# Allegro board 8880F5-0823_1_redwan.brd (continued)
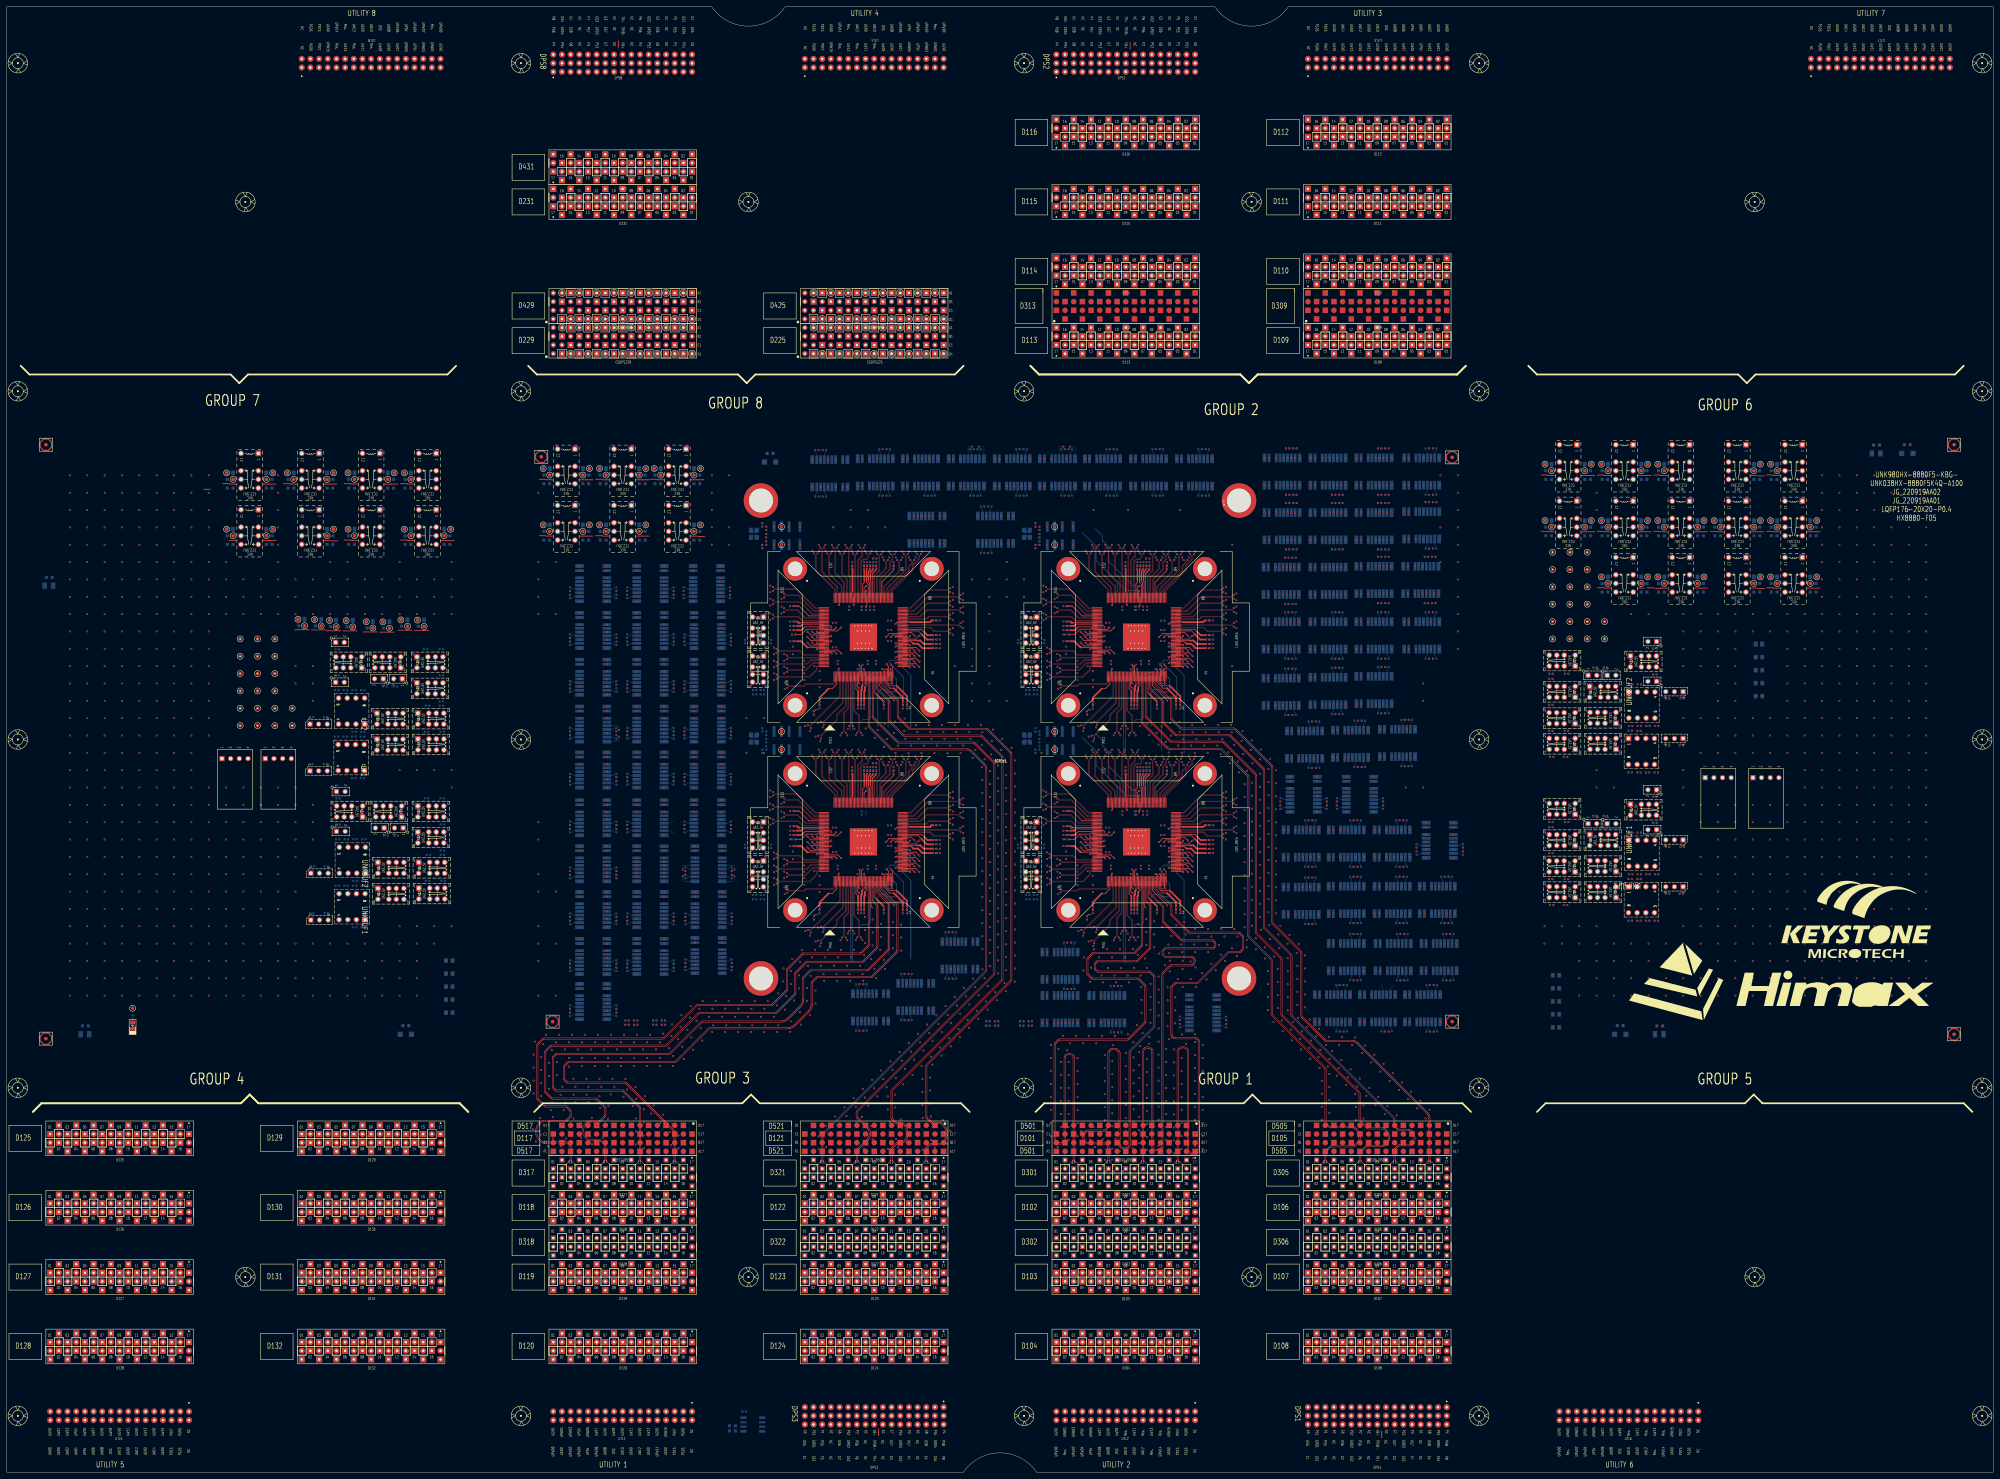
[diagram p0: board, top side]
## Footprints (pads in the part's own frame, mm; a bottom-side part is the same pattern mirrored in y, then rotated) (continued)
PG_VG93K_F_HSM_G3D121_521_ND
  rect 1.626x1.626 smd: A1(-20.32,-3.81) A3(-15.24,-3.81) A5(-10.16,-3.81) A7(-5.08,-3.81) A9(0,-3.81) A11(5.08,-3.81) A13(10.16,-3.81) A15(15.24,-3.81) A17(20.32,-3.81) B2(-17.78,-1.27) B4(-12.7,-1.27) B6(-7.62,-1.27) B8(-2.54,-1.27) B10(2.54,-1.27) B12(7.62,-1.27) B14(12.7,-1.27) B16(17.78,-1.27) C1(-20.32,1.27) C3(-15.24,1.27) C5(-10.16,1.27) C7(-5.08,1.27) C9(0,1.27) C11(5.08,1.27) C13(10.16,1.27) C15(15.24,1.27) C17(20.32,1.27) D2(-17.78,3.81) D4(-12.7,3.81) D6(-7.62,3.81) D8(-2.54,3.81) D10(2.54,3.81) D12(7.62,3.81) D14(12.7,3.81) D16(17.78,3.81)
  round 1.626 smd: A2(-17.78,-3.81) A4(-12.7,-3.81) A6(-7.62,-3.81) A8(-2.54,-3.81) A10(2.54,-3.81) A12(7.62,-3.81) A14(12.7,-3.81) A16(17.78,-3.81) B1(-20.32,-1.27) B3(-15.24,-1.27) B5(-10.16,-1.27) B7(-5.08,-1.27) B9(0,-1.27) B11(5.08,-1.27) B13(10.16,-1.27) B15(15.24,-1.27) B17(20.32,-1.27) C2(-17.78,1.27) C4(-12.7,1.27) C6(-7.62,1.27) C8(-2.54,1.27) C10(2.54,1.27) C12(7.62,1.27) C14(12.7,1.27) C16(17.78,1.27) D3(-15.24,3.81) D5(-10.16,3.81) D7(-5.08,3.81) D9(0,3.81) D11(5.08,3.81) D13(10.16,3.81) D15(15.24,3.81)
PG_VG93K_F_PSSL_G2D309_ND
  rect 1.626x1.626 smd: A1(20.32,3.81) A3(15.24,3.81) A5(10.16,3.81) A7(5.08,3.81) A9(0,3.81) A11(-5.08,3.81) A13(-10.16,3.81) A15(-15.24,3.81) A17(-20.32,3.81) B2(17.78,1.27) B4(12.7,1.27) B6(7.62,1.27) B8(2.54,1.27) B10(-2.54,1.27) B12(-7.62,1.27) B14(-12.7,1.27) B16(-17.78,1.27) C1(20.32,-1.27) C3(15.24,-1.27) C5(10.16,-1.27) C7(5.08,-1.27) C9(0,-1.27) C11(-5.08,-1.27) C13(-10.16,-1.27) C15(-15.24,-1.27) C17(-20.32,-1.27) D2(17.78,-3.81) D4(12.7,-3.81) D6(7.62,-3.81) D8(2.54,-3.81) D10(-2.54,-3.81) D12(-7.62,-3.81) D14(-12.7,-3.81) D16(-17.78,-3.81)
  round 1.626 smd: B1(20.32,1.27) B3(15.24,1.27) B5(10.16,1.27) B7(5.08,1.27) B9(0,1.27) B11(-5.08,1.27) B13(-10.16,1.27) B15(-15.24,1.27) B17(-20.32,1.27) C2(17.78,-1.27) C4(12.7,-1.27) C6(7.62,-1.27) C8(2.54,-1.27) C10(-2.54,-1.27) C12(-7.62,-1.27) C14(-12.7,-1.27) C16(-17.78,-1.27)
PG_VG93K_F_PSSL_G2D313_ND
  rect 1.626x1.626 smd: A1(20.32,3.81) A3(15.24,3.81) A5(10.16,3.81) A7(5.08,3.81) A9(0,3.81) A11(-5.08,3.81) A13(-10.16,3.81) A15(-15.24,3.81) A17(-20.32,3.81) B2(17.78,1.27) B4(12.7,1.27) B6(7.62,1.27) B8(2.54,1.27) B10(-2.54,1.27) B12(-7.62,1.27) B14(-12.7,1.27) B16(-17.78,1.27) C1(20.32,-1.27) C3(15.24,-1.27) C5(10.16,-1.27) C7(5.08,-1.27) C9(0,-1.27) C11(-5.08,-1.27) C13(-10.16,-1.27) C15(-15.24,-1.27) C17(-20.32,-1.27) D2(17.78,-3.81) D4(12.7,-3.81) D6(7.62,-3.81) D8(2.54,-3.81) D10(-2.54,-3.81) D12(-7.62,-3.81) D14(-12.7,-3.81) D16(-17.78,-3.81)
  round 1.626 smd: B1(20.32,1.27) B3(15.24,1.27) B5(10.16,1.27) B7(5.08,1.27) B9(0,1.27) B11(-5.08,1.27) B13(-10.16,1.27) B15(-15.24,1.27) B17(-20.32,1.27) C2(17.78,-1.27) C4(12.7,-1.27) C6(7.62,-1.27) C8(2.54,-1.27) C10(-2.54,-1.27) C12(-7.62,-1.27) C14(-12.7,-1.27) C16(-17.78,-1.27)
PG_VG93K_PF_DPS32_G8D225
  rect 1.778x1.778 hole 0.711: A1(20.32,3.81) A3(15.24,3.81) A5(10.16,3.81) A7(5.08,3.81) A9(0,3.81) A11(-5.08,3.81) A13(-10.16,3.81) A15(-15.24,3.81) B2(17.78,1.27) B4(12.7,1.27) B6(7.62,1.27) B8(2.54,1.27) B10(-2.54,1.27) B12(-7.62,1.27) B14(-12.7,1.27) B16(-17.78,1.27) C1(20.32,-1.27) C3(15.24,-1.27) C5(10.16,-1.27) C7(5.08,-1.27) C9(0,-1.27) C11(-5.08,-1.27) C13(-10.16,-1.27) C15(-15.24,-1.27) D2(17.78,-3.81) D4(12.7,-3.81) D6(7.62,-3.81) D8(2.54,-3.81) D10(-2.54,-3.81) D12(-7.62,-3.81) D14(-12.7,-3.81) D16(-17.78,-3.81)
  round 1.524 hole 0.711: A2(17.78,3.81) A4(12.7,3.81) A6(7.62,3.81) A8(2.54,3.81) A10(-2.54,3.81) A12(-7.62,3.81) A14(-12.7,3.81) A16(-17.78,3.81) A17(-20.32,3.81) B1(20.32,1.27) B3(15.24,1.27) B5(10.16,1.27) B7(5.08,1.27) B9(0,1.27) B11(-5.08,1.27) B13(-10.16,1.27) B15(-15.24,1.27) B17(-20.32,1.27) C2(17.78,-1.27) C4(12.7,-1.27) C6(7.62,-1.27) C8(2.54,-1.27) C10(-2.54,-1.27) C12(-7.62,-1.27) C14(-12.7,-1.27) C16(-17.78,-1.27) C17(-20.32,-1.27) D1(20.32,-3.81) D3(15.24,-3.81) D5(10.16,-3.81) D7(5.08,-3.81) D9(0,-3.81) D11(-5.08,-3.81) D13(-10.16,-3.81) D15(-15.24,-3.81) D17(-20.32,-3.81)
PG_VG93K_PF_DPS32_G8D229
  rect 1.778x1.778 hole 0.711: A1(20.32,3.81) A3(15.24,3.81) A5(10.16,3.81) A7(5.08,3.81) A9(0,3.81) A11(-5.08,3.81) A13(-10.16,3.81) A15(-15.24,3.81) B2(17.78,1.27) B4(12.7,1.27) B6(7.62,1.27) B8(2.54,1.27) B10(-2.54,1.27) B12(-7.62,1.27) B14(-12.7,1.27) B16(-17.78,1.27) C1(20.32,-1.27) C3(15.24,-1.27) C5(10.16,-1.27) C7(5.08,-1.27) C9(0,-1.27) C11(-5.08,-1.27) C13(-10.16,-1.27) C15(-15.24,-1.27) D2(17.78,-3.81) D4(12.7,-3.81) D6(7.62,-3.81) D8(2.54,-3.81) D10(-2.54,-3.81) D12(-7.62,-3.81) D14(-12.7,-3.81) D16(-17.78,-3.81)
  round 1.524 hole 0.711: A2(17.78,3.81) A4(12.7,3.81) A6(7.62,3.81) A8(2.54,3.81) A10(-2.54,3.81) A12(-7.62,3.81) A14(-12.7,3.81) A16(-17.78,3.81) A17(-20.32,3.81) B1(20.32,1.27) B3(15.24,1.27) B5(10.16,1.27) B7(5.08,1.27) B9(0,1.27) B11(-5.08,1.27) B13(-10.16,1.27) B15(-15.24,1.27) B17(-20.32,1.27) C2(17.78,-1.27) C4(12.7,-1.27) C6(7.62,-1.27) C8(2.54,-1.27) C10(-2.54,-1.27) C12(-7.62,-1.27) C14(-12.7,-1.27) C16(-17.78,-1.27) C17(-20.32,-1.27) D1(20.32,-3.81) D3(15.24,-3.81) D5(10.16,-3.81) D7(5.08,-3.81) D9(0,-3.81) D11(-5.08,-3.81) D13(-10.16,-3.81) D15(-15.24,-3.81) D17(-20.32,-3.81)
PG_VG93K_PF_DPS32_G8D425
  rect 1.778x1.778 hole 0.711: A1(20.32,3.81) A3(15.24,3.81) A5(10.16,3.81) A7(5.08,3.81) A9(0,3.81) A11(-5.08,3.81) A13(-10.16,3.81) A15(-15.24,3.81) B2(17.78,1.27) B4(12.7,1.27) B6(7.62,1.27) B8(2.54,1.27) B10(-2.54,1.27) B12(-7.62,1.27) B14(-12.7,1.27) B16(-17.78,1.27) C1(20.32,-1.27) C3(15.24,-1.27) C5(10.16,-1.27) C7(5.08,-1.27) C9(0,-1.27) C11(-5.08,-1.27) C13(-10.16,-1.27) C15(-15.24,-1.27) D2(17.78,-3.81) D4(12.7,-3.81) D6(7.62,-3.81) D8(2.54,-3.81) D10(-2.54,-3.81) D12(-7.62,-3.81) D14(-12.7,-3.81) D16(-17.78,-3.81)
  round 1.524 hole 0.711: A2(17.78,3.81) A4(12.7,3.81) A6(7.62,3.81) A8(2.54,3.81) A10(-2.54,3.81) A12(-7.62,3.81) A14(-12.7,3.81) A16(-17.78,3.81) A17(-20.32,3.81) B1(20.32,1.27) B3(15.24,1.27) B5(10.16,1.27) B7(5.08,1.27) B9(0,1.27) B11(-5.08,1.27) B13(-10.16,1.27) B15(-15.24,1.27) B17(-20.32,1.27) C2(17.78,-1.27) C4(12.7,-1.27) C6(7.62,-1.27) C8(2.54,-1.27) C10(-2.54,-1.27) C12(-7.62,-1.27) C14(-12.7,-1.27) C16(-17.78,-1.27) C17(-20.32,-1.27) D1(20.32,-3.81) D3(15.24,-3.81) D5(10.16,-3.81) D7(5.08,-3.81) D9(0,-3.81) D11(-5.08,-3.81) D13(-10.16,-3.81) D15(-15.24,-3.81) D17(-20.32,-3.81)
PG_VG93K_PF_DPS32_G8D429
  rect 1.778x1.778 hole 0.711: A1(20.32,3.81) A3(15.24,3.81) A5(10.16,3.81) A7(5.08,3.81) A9(0,3.81) A11(-5.08,3.81) A13(-10.16,3.81) A15(-15.24,3.81) B2(17.78,1.27) B4(12.7,1.27) B6(7.62,1.27) B8(2.54,1.27) B10(-2.54,1.27) B12(-7.62,1.27) B14(-12.7,1.27) B16(-17.78,1.27) C1(20.32,-1.27) C3(15.24,-1.27) C5(10.16,-1.27) C7(5.08,-1.27) C9(0,-1.27) C11(-5.08,-1.27) C13(-10.16,-1.27) C15(-15.24,-1.27) D2(17.78,-3.81) D4(12.7,-3.81) D6(7.62,-3.81) D8(2.54,-3.81) D10(-2.54,-3.81) D12(-7.62,-3.81) D14(-12.7,-3.81) D16(-17.78,-3.81)
  round 1.524 hole 0.711: A2(17.78,3.81) A4(12.7,3.81) A6(7.62,3.81) A8(2.54,3.81) A10(-2.54,3.81) A12(-7.62,3.81) A14(-12.7,3.81) A16(-17.78,3.81) A17(-20.32,3.81) B1(20.32,1.27) B3(15.24,1.27) B5(10.16,1.27) B7(5.08,1.27) B9(0,1.27) B11(-5.08,1.27) B13(-10.16,1.27) B15(-15.24,1.27) B17(-20.32,1.27) C2(17.78,-1.27) C4(12.7,-1.27) C6(7.62,-1.27) C8(2.54,-1.27) C10(-2.54,-1.27) C12(-7.62,-1.27) C14(-12.7,-1.27) C16(-17.78,-1.27) C17(-20.32,-1.27) D1(20.32,-3.81) D3(15.24,-3.81) D5(10.16,-3.81) D7(5.08,-3.81) D9(0,-3.81) D11(-5.08,-3.81) D13(-10.16,-3.81) D15(-15.24,-3.81) D17(-20.32,-3.81)
R0402
  custom 0.15x0.15 smd: 1(-0.5,0) 2(0.5,0)
R0603
  rect 0.889x0.889 smd: 1(-0.85,0) 2(0.85,0)
RL_G6K2FRT_8P_5V_GR
  rect 0.813x2.54 smd: 1(-3.75,-4) 2(-0.55,-4) 3(1.65,-4) 4(3.85,-4) 5(3.85,4) 6(1.65,4) 7(-0.55,4) 8(-3.75,4) G2(-1.65,-4) G3(0.55,-4) G4(2.75,-4) G7(2.75,4) G8(0.55,4) G9(-1.65,4)
  rect 1.092x2.54 smd: G1(-5.1,-4) G5(5.2,-4) G6(5.2,4) G10(-5.1,4)
RL_NECEC2_10P_5V
  rect 1.626x1.626 hole 1.041: 1(6.35,2.54)
  round 1.626 hole 1.041: 3(1.27,2.54) 4(-1.27,2.54) 5(-3.81,2.54) 8(-3.81,-2.54) 9(-1.27,-2.54) 10(1.27,-2.54) 12(6.35,-2.54)
RL_NECUA2_5V_V3
  rect 1.626x1.626 hole 1.041: 1(3.6,1.6)
  round 1.626 hole 1.041: 2(0.4,1.6) 3(-1.8,1.6) 4(-4,1.6) 5(-4,-1.6) 6(-1.8,-1.6) 7(0.4,-1.6) 8(3.6,-1.6)
RL_NECUB2_5V
  rect 0.813x3.15 smd: 1(3.8,2.65) 2(0.6,2.65) 3(-1.6,2.65) 4(-3.8,2.65) 5(-3.8,-2.65) 6(-1.6,-2.65) 7(0.6,-2.65) 8(3.8,-2.65)
SK_LQFP176P_0P4MM_JG_HX8880
  round 0.508 hole 1.626 unplated: (-16.5,16.5) (-16.5,-16.5) (16.5,16.5) (16.5,-16.5)
  oval 3x0.28 smd: 1(-11.5,8.6) 2(-11.5,8.2) 3(-11.5,7.8) 4(-11.5,7.4) 5(-11.5,7) 6(-11.5,6.6) 7(-11.5,6.2) 8(-11.5,5.8) 9(-11.5,5.4) 10(-11.5,5) 11(-11.5,4.6) 12(-11.5,4.2) 13(-11.5,3.8) 14(-11.5,3.4) 15(-11.5,3) 16(-11.5,2.6) 17(-11.5,2.2) 18(-11.5,1.8) 19(-11.5,1.4) 20(-11.5,1) 21(-11.5,0.6) 22(-11.5,0.2) 23(-11.5,-0.2) 24(-11.5,-0.6) 25(-11.5,-1) 26(-11.5,-1.4) 27(-11.5,-1.8) 28(-11.5,-2.2) 29(-11.5,-2.6) 30(-11.5,-3) 31(-11.5,-3.4) 32(-11.5,-3.8) 33(-11.5,-4.2) 34(-11.5,-4.6) 35(-11.5,-5) 36(-11.5,-5.4) 37(-11.5,-5.8) 38(-11.5,-6.2) 39(-11.5,-6.6) 40(-11.5,-7) 41(-11.5,-7.4) 42(-11.5,-7.8) 43(-11.5,-8.2) 44(-11.5,-8.6) 89(11.5,-8.6) 90(11.5,-8.2) 91(11.5,-7.8) 92(11.5,-7.4) 93(11.5,-7) 94(11.5,-6.6) 95(11.5,-6.2) 96(11.5,-5.8) 97(11.5,-5.4) 98(11.5,-5) 99(11.5,-4.6) 100(11.5,-4.2) 101(11.5,-3.8) 102(11.5,-3.4) 103(11.5,-3) 104(11.5,-2.6) 105(11.5,-2.2) 106(11.5,-1.8) 107(11.5,-1.4) 108(11.5,-1) 109(11.5,-0.6) 110(11.5,-0.2) 111(11.5,0.2) 112(11.5,0.6) 113(11.5,1) 114(11.5,1.4) 115(11.5,1.8) 116(11.5,2.2) 117(11.5,2.6) 118(11.5,3) 119(11.5,3.4) 120(11.5,3.8) 121(11.5,4.2) 122(11.5,4.6) 123(11.5,5) 124(11.5,5.4) 125(11.5,5.8) 126(11.5,6.2) 127(11.5,6.6) 128(11.5,7) 129(11.5,7.4) 130(11.5,7.8) 131(11.5,8.2) 132(11.5,8.6)
  oval 0.28x3 smd: 45(-8.6,-11.5) 46(-8.2,-11.5) 47(-7.8,-11.5) 48(-7.4,-11.5) 49(-7,-11.5) 50(-6.6,-11.5) 51(-6.2,-11.5) 52(-5.8,-11.5) 53(-5.4,-11.5) 54(-5,-11.5) 55(-4.6,-11.5) 56(-4.2,-11.5) 57(-3.8,-11.5) 58(-3.4,-11.5) 59(-3,-11.5) 60(-2.6,-11.5) 61(-2.2,-11.5) 62(-1.8,-11.5) 63(-1.4,-11.5) 64(-1,-11.5) 65(-0.6,-11.5) 66(-0.2,-11.5) 67(0.2,-11.5) 68(0.6,-11.5) 69(1,-11.5) 70(1.4,-11.5) 71(1.8,-11.5) 72(2.2,-11.5) 73(2.6,-11.5) 74(3,-11.5) 75(3.4,-11.5) 76(3.8,-11.5) 77(4.2,-11.5) 78(4.6,-11.5) 79(5,-11.5) 80(5.4,-11.5) 81(5.8,-11.5) 82(6.2,-11.5) 83(6.6,-11.5) 84(7,-11.5) 85(7.4,-11.5) 86(7.8,-11.5) 87(8.2,-11.5) 88(8.6,-11.5) 133(8.6,11.5) 134(8.2,11.5) 135(7.8,11.5) 136(7.4,11.5) 137(7,11.5) 138(6.6,11.5) 139(6.2,11.5) 140(5.8,11.5) 141(5.4,11.5) 142(5,11.5) 143(4.6,11.5) 144(4.2,11.5) 145(3.8,11.5) 146(3.4,11.5) 147(3,11.5) 148(2.6,11.5) 149(2.2,11.5) 150(1.8,11.5) 151(1.4,11.5) 152(1,11.5) 153(0.6,11.5) 154(0.2,11.5) 155(-0.2,11.5) 156(-0.6,11.5) 157(-1,11.5) 158(-1.4,11.5) 159(-1.8,11.5) 160(-2.2,11.5) 161(-2.6,11.5) 162(-3,11.5) 163(-3.4,11.5) 164(-3.8,11.5) 165(-4.2,11.5) 166(-4.6,11.5) 167(-5,11.5) 168(-5.4,11.5) 169(-5.8,11.5) 170(-6.2,11.5) 171(-6.6,11.5) 172(-7,11.5) 173(-7.4,11.5) 174(-7.8,11.5) 175(-8.2,11.5) 176(-8.6,11.5)
  rect 8x8 smd: EP(0,0)
  round 0.61 hole 0.305: G1(-3.3,2.5) G2(-3.3,1.5) G3(-3.3,0.5) G4(-3.3,-0.5) G5(-3.3,-1.5) G6(-3.3,-2.5) G7(3.3,2.5) G8(3.3,1.5) G9(3.3,0.5) G10(3.3,-0.5) G11(3.3,-1.5) G12(3.3,-2.5) G13(-1.8,1.8) G14(-1.8,0.6) G15(-1.8,-0.6) G16(-1.8,-1.8) G17(1.8,1.8) G18(1.8,0.6) G19(1.8,-0.6) G20(1.8,-1.8)
  round 7 hole 4.293: NUT1(-20,20) NUT2(20,20) NUT3(-20,-20) NUT4(20,-20)
SO8_215X127MM
  rect 1.778x0.762 smd: 1(-2.731,2.032) 4(-2.731,-2.032) 5(2.731,-2.032) 8(2.731,2.032)
  rect 1.778x0.61 smd: 2(-2.731,0.635) 3(-2.731,-0.635) 6(2.731,-0.635) 7(2.731,0.635)
SOCKET_BASE_140X140_565100
  round 10.109 hole 7.01: NUT1(-70,70) NUT2(70,70) NUT3(70,-70) NUT4(-70,-70)
SOCKET_CODE
  round 0.051 smd: 1(0,0)
TP_040_T
  round 1.016 smd: 1(0,0)
TPL_040_014_TB
  round 1.016 hole 0.356: 1(0,0)
XTAL_2X2P5MM_4P
  rect 1.143x0.94 smd: 1(-0.825,-0.625) 2(0.825,-0.625) 3(0.825,0.625) 4(-0.825,0.625)
XTAL_3P2X2P5MM_4P_TXC_0201
  rect 1.4x1.2 smd: 1(-1.1,-0.85) 2(1.1,-0.85) 3(1.1,0.85) 4(-1.1,0.85)
